# Altium PCB main - Copy.PcbDoc (part 8 of 14)
Units mil, origin at the board's own origin, x right, y up, seen from the top; angles counter-clockwise.
Board outline 8394.55 x 5164.44 mil, 7 copper layers (Top Layer 1, Layer 2, Layer 3, Unused, Layer 4_pow, Layer 5_gnd, Bottom 6+gnd), stack 46.112 mil thick; 406 components, 463 nets, 1919 pads, 903 vias.
Unrouted connection lines stored in the file: 147.
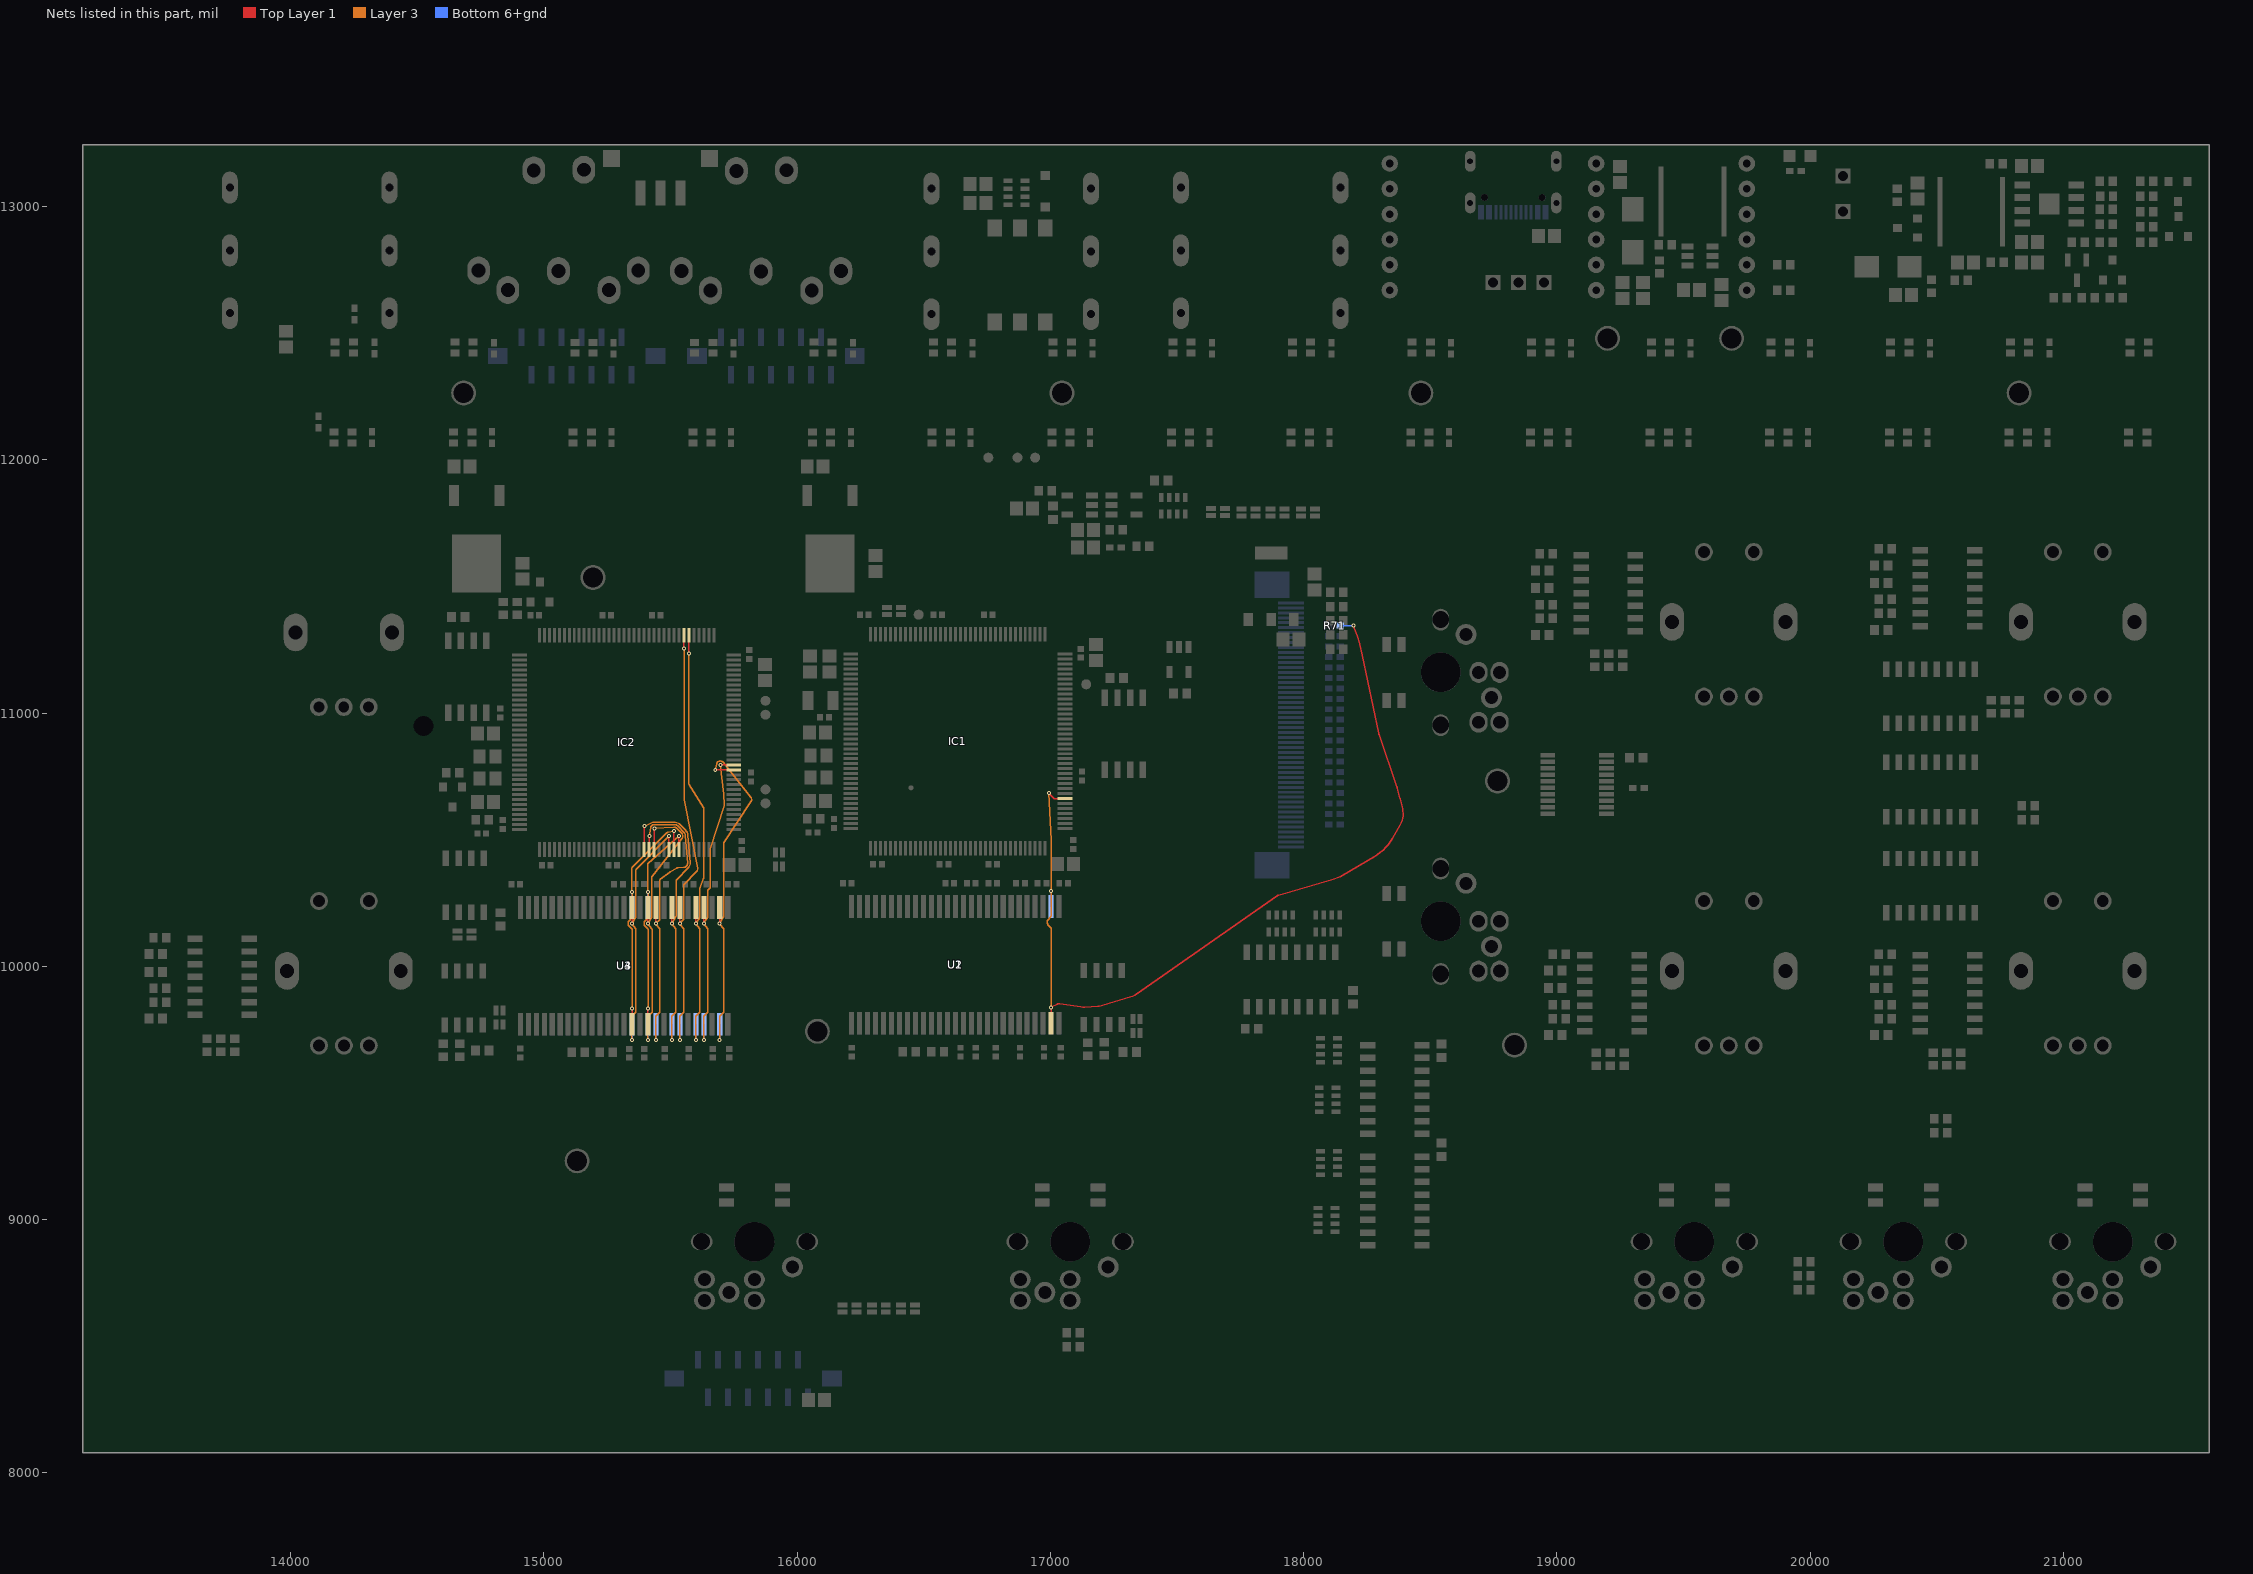
[diagram p12: the nets of this part, all layers, seen from the top]

## Via types
v1: diameter 15.75, hole 7.87, Top Layer 1 to Bottom 6+gnd, tented both sides, 830 vias
v2: diameter 27.56, hole 11.81, Top Layer 1 to Bottom 6+gnd, 45 vias
v3: diameter 23.62/23.62/23.62/23.62/23.62/23.62/23.62 (per signal layer), hole 12, Top Layer 1 to Bottom 6+gnd, tented top, 12 vias
v4: diameter 15.75, hole 7.87, Top Layer 1 to Bottom 6+gnd, 10 vias
v5: diameter 23.62/23.62/23.62/23.62/23.62/23.62/23.62 (per signal layer), hole 12, Top Layer 1 to Bottom 6+gnd, tented bottom, 6 vias

## Nets (pads, with @x,y where several pads share a name; then routed paths per layer and width w, separated by ;. In a path a pad name is that pad's centre, name@x,y a point inside that pad or via, vN(x,y) a via of type N, cw(c..) or ccw(c..) an arc to the next point about the centre after c; other vN are vias at no path point) (continued)
D15: IC1.79 R71.2 U1.53 U2.53 | length 3643.4
  Top Layer 1 w5: v1(16993.84,10685.43) 16993.84,10684.05 17015.29,10662.59 17057.61,10662.59 IC1.79@17057.76,10662.44 ; U1.53@17002.95,9775.59 17003.2,9818.09 v1(17003.2,9837.68) 17004.66,9839.14 cw(c17008.2,9835.6) 17005.89,9840.04 17027.58,9851.31 cw(c17034.69,9837.68) 17037.1,9852.86 17118.98,9840.29 ccw(c17131.96,9924.67) 17136.25,9839.4 17186.4,9841.94 ccw(c17182.09,9927.2) 17207.33,9845.65 17317.85,9879.94 ccw(c17294.88,9953.96) 17339.19,9890.37 17895.58,10278.46 cw(c17906.89,10262.58) 17901.47,10281.31 18110.45,10341.77 ccw(c18056.25,10529.09) 18154.39,10360.59 18278.89,10433.24 ccw(c18180.42,10601.98) 18349.85,10504.7 18381.41,10559.67 ccw(c18307.4,10602.23) 18390.39,10622.26 18380.66,10662.58 ccw(c18297.66,10642.59) 18380.29,10664.05 18370.07,10703.31 ccw(c18287.45,10681.8) 18368.22,10709.46 18297.96,10914.62 cw(c18338.58,10928.53) 18296.59,10919.6 18231.02,11228.06 ccw(c18196.42,11220.71) 18230.91,11228.57 18221.16,11271.35 ccw(c18196.42,11265.71) 18220.73,11272.96 18211.15,11305.1 ccw(c18196.42,11300.71) 18210.87,11305.96 v1(18196.42,11345.71)
  Layer 3 w5: v1(16993.84,10685.43) 17002.7,10499.02 ; v1(17003.2,9837.68) 17003.2,10149.87 ; 17001.74,10153.31 cw(c16998.2,10149.78) 17003.2,10149.87 ; 17001.74,10153.31 cw(c16998.2,10149.78) 17003.2,10149.87 ; 17001.74,10153.31 cw(c16998.2,10149.78) 17003.2,10149.87 ; 17001.74,10153.31 cw(c16998.2,10149.78) 17003.2,10149.87 ; 17001.74,10153.31 cw(c16998.2,10149.78) 17003.2,10149.87 ; 17001.74,10153.31 cw(c16998.2,10149.78) 17003.2,10149.87 ; 17001.74,10153.31 cw(c16998.2,10149.78) 17003.2,10149.87 ; 17001.74,10153.31 cw(c16998.2,10149.78) 17003.2,10149.87 ; 17001.74,10153.31 cw(c16998.2,10149.78) 17003.2,10149.87 ; 17001.74,10153.31 cw(c16998.2,10149.78) 17003.2,10149.87 ; 17001.74,10153.31 cw(c16998.2,10149.78) 17003.2,10149.87 ; 17001.74,10153.31 cw(c16998.2,10149.78) 17003.2,10149.87 ; 17001.74,10153.31 cw(c16998.2,10149.78) 17003.2,10149.87 ; 17001.74,10153.31 cw(c16998.2,10149.78) 17003.2,10149.87 ; 17001.74,10153.31 cw(c16998.2,10149.78) 17003.2,10149.87 ; 17001.74,10153.31 cw(c16998.2,10149.78) 17003.2,10149.87 ; 17001.74,10153.31 16991.81,10163.28 cw(c17002.71,10174.13) 16991.19,10184.31 17001.94,10196.48 ; 17001.94,10196.48 ccw(c16998.2,10199.79) 17003.2,10199.7 ; 17001.94,10196.48 ccw(c16998.2,10199.79) 17003.2,10199.7 ; 17001.94,10196.48 ccw(c16998.2,10199.79) 17003.2,10199.7 ; 17001.94,10196.48 ccw(c16998.2,10199.79) 17003.2,10199.7 ; 17001.94,10196.48 ccw(c16998.2,10199.79) 17003.2,10199.7 ; 17001.94,10196.48 ccw(c16998.2,10199.79) 17003.2,10199.7 ; 17001.94,10196.48 ccw(c16998.2,10199.79) 17003.2,10199.7 ; 17001.94,10196.48 ccw(c16998.2,10199.79) 17003.2,10199.7 ; 17001.94,10196.48 ccw(c16998.2,10199.79) 17003.2,10199.7 ; 17001.94,10196.48 ccw(c16998.2,10199.79) 17003.2,10199.7 ; 17001.94,10196.48 ccw(c16998.2,10199.79) 17003.2,10199.7 ; 17001.94,10196.48 ccw(c16998.2,10199.79) 17003.2,10199.7 ; 17001.94,10196.48 ccw(c16998.2,10199.79) 17003.2,10199.7 ; 17001.94,10196.48 ccw(c16998.2,10199.79) 17003.2,10199.7 ; 17001.94,10196.48 ccw(c16998.2,10199.79) 17003.2,10199.7 ; 17001.94,10196.48 ccw(c16998.2,10199.79) 17003.2,10199.7 ; 17002.71,10498.88 ccw(c16997.71,10498.79) 17002.7,10499.02 ; 17002.71,10498.88 ccw(c16997.71,10498.79) 17002.7,10499.02 ; 17002.71,10498.88 ccw(c16997.71,10498.79) 17002.7,10499.02 ; 17002.71,10498.88 ccw(c16997.71,10498.79) 17002.7,10499.02 ; 17002.71,10498.88 ccw(c16997.71,10498.79) 17002.7,10499.02 ; 17002.71,10498.88 v1(17002.71,10298.31) 17003.2,10297.82 17003.2,10199.7
  Bottom 6+gnd w5: U2.53@17002.95,10236.22 v1@17002.95,10298.06 ; R71.2@18145.11,11345.71 v1(18196.42,11345.71)
DD0: IC2.85 U3.2 U4.2 | length 1485.8
  Top Layer 1 w5: v1@15676.86,10776.36 IC2.85@15749.52,10776.36 ; v1@15694.65,10170.19 U3.2@15694.65,10232.03
  Layer 3 w5: v1(15676.78,10776.28) 15681.76,10798.95 cw(c15696.78,10795.65) 15708.87,10805.15 15817.03,10667.36 cw(c15804.94,10657.87) 15817.74,10649.35 15710.64,10488.43 ccw(c15714.8,10485.66) 15709.8,10485.66 15709.8,10196.31 ; v1(15694.41,9709.31) 15694.41,9803 15710.53,9819.12 15710.53,10145.78 ; 15709.8,10196.27 cw(c15704.8,10196.36) 15708.98,10193.61 15695.23,10172.69 ccw(c15699.41,10169.94) 15694.41,10170 v1(15694.41,10169.94) ccw(c15699.41,10169.94) 15695.46,10166.87 15709.48,10148.8 ; 15709.48,10148.8 cw(c15705.53,10145.74) 15710.53,10145.83 ; 15709.48,10148.8 cw(c15705.53,10145.74) 15710.53,10145.83 ; 15709.48,10148.8 cw(c15705.53,10145.74) 15710.53,10145.83 ; 15709.48,10148.8 cw(c15705.53,10145.74) 15710.53,10145.83 ; 15709.48,10148.8 cw(c15705.53,10145.74) 15710.53,10145.83 ; 15709.48,10148.8 cw(c15705.53,10145.74) 15710.53,10145.83 ; 15709.48,10148.8 cw(c15705.53,10145.74) 15710.53,10145.83 ; 15709.48,10148.8 cw(c15705.53,10145.74) 15710.53,10145.83 ; 15709.48,10148.8 cw(c15705.53,10145.74) 15710.53,10145.83 ; 15709.48,10148.8 cw(c15705.53,10145.74) 15710.53,10145.83 ; 15709.48,10148.8 cw(c15705.53,10145.74) 15710.53,10145.83 ; 15709.48,10148.8 cw(c15705.53,10145.74) 15710.53,10145.83 ; 15709.48,10148.8 cw(c15705.53,10145.74) 15710.53,10145.83 ; 15709.48,10148.8 cw(c15705.53,10145.74) 15710.53,10145.83 ; 15709.48,10148.8 cw(c15705.53,10145.74) 15710.53,10145.83 ; 15709.48,10148.8 cw(c15705.53,10145.74) 15710.53,10145.83
  Bottom 6+gnd w5: v1@15694.65,9709.56 U4.2@15694.65,9771.4
DD1: IC2.86 U3.4 U4.4 | length 1485.1
  Top Layer 1 w5: v1@15631.66,10170.19 U3.4@15631.66,10232.03 ; v1@15697.01,10795.89 IC2.86@15749.3,10795.89
  Layer 3 w5: v1(15631.42,9709.31) 15631.42,9803 15647.54,9819.12 15647.54,10145.78 ; v1(15631.42,10169.94) ccw(c15636.42,10169.94) 15632.47,10166.88 15646.49,10148.8 ; v1@15632.26,10172.73 ccw(c15636.42,10169.94) v1(15631.42,10169.94) ; 15647.54,10197.05 15647.54,10300.48 15655.24,10308.18 ; v1(15696.78,10795.65) 15710.27,10680.61 cw(c15695,10678.82) 15710.36,10679.49 15712.14,10638.84 cw(c15696.78,10638.17) 15711.42,10633.47 15656.96,10463.98 ccw(c15661.73,10462.47) 15656.73,10462.5 15656.67,10311.69 ; v1(15631.42,10169.94) cw(c15636.42,10169.94) v1@15632.26,10172.72 ; v1(15631.42,10169.94) cw(c15636.42,10169.94) v1@15632.26,10172.72 ; v1(15631.42,10169.94) cw(c15636.42,10169.94) v1@15632.26,10172.72 ; v1(15631.42,10169.94) cw(c15636.42,10169.94) v1@15632.26,10172.72 ; v1(15631.42,10169.94) cw(c15636.42,10169.94) v1@15632.26,10172.72 ; v1(15631.42,10169.94) cw(c15636.42,10169.94) v1@15632.26,10172.72 ; v1(15631.42,10169.94) cw(c15636.42,10169.94) v1@15632.26,10172.72 ; v1(15631.42,10169.94) cw(c15636.42,10169.94) v1@15632.26,10172.72 ; v1(15631.42,10169.94) cw(c15636.42,10169.94) v1@15632.26,10172.72 ; v1(15631.42,10169.94) cw(c15636.42,10169.94) v1@15632.26,10172.72 ; v1(15631.42,10169.94) cw(c15636.42,10169.94) v1@15632.26,10172.72 ; v1(15631.42,10169.94) cw(c15636.42,10169.94) v1@15632.26,10172.72 ; v1(15631.42,10169.94) cw(c15636.42,10169.94) v1@15632.26,10172.72 ; v1(15631.42,10169.94) cw(c15636.42,10169.94) v1@15632.26,10172.72 ; v1(15631.42,10169.94) cw(c15636.42,10169.94) v1@15632.26,10172.72 ; v1@15632.26,10172.72 15646.7,10194.31 ; 15646.49,10148.8 cw(c15642.54,10145.74) 15647.54,10145.83 ; 15646.49,10148.8 cw(c15642.54,10145.74) 15647.54,10145.83 ; 15646.49,10148.8 cw(c15642.54,10145.74) 15647.54,10145.83 ; 15646.49,10148.8 cw(c15642.54,10145.74) 15647.54,10145.83 ; 15646.49,10148.8 cw(c15642.54,10145.74) 15647.54,10145.83 ; 15646.49,10148.8 cw(c15642.54,10145.74) 15647.54,10145.83 ; 15646.49,10148.8 cw(c15642.54,10145.74) 15647.54,10145.83 ; 15646.49,10148.8 cw(c15642.54,10145.74) 15647.54,10145.83 ; 15646.49,10148.8 cw(c15642.54,10145.74) 15647.54,10145.83 ; 15646.49,10148.8 cw(c15642.54,10145.74) 15647.54,10145.83 ; 15646.49,10148.8 cw(c15642.54,10145.74) 15647.54,10145.83 ; 15646.49,10148.8 cw(c15642.54,10145.74) 15647.54,10145.83 ; 15646.49,10148.8 cw(c15642.54,10145.74) 15647.54,10145.83 ; 15646.49,10148.8 cw(c15642.54,10145.74) 15647.54,10145.83 ; 15646.49,10148.8 cw(c15642.54,10145.74) 15647.54,10145.83 ; 15646.49,10148.8 cw(c15642.54,10145.74) 15647.54,10145.83 ; 15646.7,10194.32 ccw(c15642.54,10197.09) 15647.54,10197 ; 15646.7,10194.32 ccw(c15642.54,10197.09) 15647.54,10197 ; 15646.7,10194.32 ccw(c15642.54,10197.09) 15647.54,10197 ; 15646.7,10194.32 ccw(c15642.54,10197.09) 15647.54,10197 ; 15646.7,10194.32 ccw(c15642.54,10197.09) 15647.54,10197 ; 15646.7,10194.31 ccw(c15642.54,10197.09) 15647.54,10197 ; 15646.7,10194.32 ccw(c15642.54,10197.09) 15647.54,10197 ; 15646.7,10194.32 ccw(c15642.54,10197.09) 15647.54,10197 ; 15646.7,10194.32 ccw(c15642.54,10197.09) 15647.54,10197 ; 15646.7,10194.32 ccw(c15642.54,10197.09) 15647.54,10197 ; 15646.7,10194.32 ccw(c15642.54,10197.09) 15647.54,10197 ; 15646.7,10194.32 ccw(c15642.54,10197.09) 15647.54,10197 ; 15646.7,10194.32 ccw(c15642.54,10197.09) 15647.54,10197 ; 15646.7,10194.32 ccw(c15642.54,10197.09) 15647.54,10197 ; 15646.7,10194.32 ccw(c15642.54,10197.09) 15647.54,10197 ; 15646.7,10194.32 ccw(c15642.54,10197.09) 15647.54,10197 ; 15655.26,10308.2 ccw(c15651.67,10311.69) 15656.67,10311.69 ; 15655.26,10308.2 ccw(c15651.67,10311.69) 15656.67,10311.69 ; 15655.26,10308.2 ccw(c15651.67,10311.69) 15656.67,10311.69 ; 15655.26,10308.2 ccw(c15651.67,10311.69) 15656.67,10311.69 ; 15655.26,10308.2 ccw(c15651.67,10311.69) 15656.67,10311.69 ; 15655.26,10308.2 ccw(c15651.67,10311.69) 15656.67,10311.69 ; 15655.26,10308.2 ccw(c15651.67,10311.69) 15656.67,10311.69 ; 15655.26,10308.2 ccw(c15651.67,10311.69) 15656.67,10311.69 ; 15655.26,10308.2 ccw(c15651.67,10311.69) 15656.67,10311.69 ; 15655.26,10308.2 ccw(c15651.67,10311.69) 15656.67,10311.69 ; 15655.26,10308.2 ccw(c15651.67,10311.69) 15656.67,10311.69 ; 15655.26,10308.2 ccw(c15651.67,10311.69) 15656.67,10311.69 ; 15655.26,10308.2 ccw(c15651.67,10311.69) 15656.67,10311.69 ; 15655.26,10308.2 ccw(c15651.67,10311.69) 15656.67,10311.69 ; 15655.26,10308.2 ccw(c15651.67,10311.69) 15656.67,10311.69 ; 15655.26,10308.2 ccw(c15651.67,10311.69) 15656.67,10311.69
  Bottom 6+gnd w5: v1@15631.66,9709.56 U4.4@15631.66,9771.4
DD2: IC2.114 U3.5 U4.5 | length 2000.5
  Top Layer 1 w5: v1@15572.76,11234.79 IC2.114@15572.82,11307.38 ; v1@15600.16,10170.19 U3.5@15600.16,10232.03
  Layer 3 w5: v1(15572.84,11234.71) 15572.84,10720.56 ccw(c15577.84,10720.56) 15573.6,10717.91 15629.72,10627.81 15629.76,10627.75 cw(c15616.7,10619.63) 15632.07,10619.63 15632.07,10354.63 ; v1(15599.92,9709.31) 15599.92,9803 15616.04,9819.12 15616.04,10145.78 ; v1(15599.92,10169.94) ccw(c15604.92,10169.94) 15600.97,10166.88 15614.99,10148.8 ; v1(15599.92,10169.94) cw(c15604.92,10169.94) 15601.01,10173.06 15615.45,10191.26 ; 15614.99,10148.8 cw(c15611.04,10145.74) 15616.04,10145.83 ; 15614.99,10148.8 cw(c15611.04,10145.74) 15616.04,10145.83 ; 15614.99,10148.8 cw(c15611.04,10145.74) 15616.04,10145.83 ; 15614.99,10148.8 cw(c15611.04,10145.74) 15616.04,10145.83 ; 15614.99,10148.8 cw(c15611.04,10145.74) 15616.04,10145.83 ; 15614.99,10148.8 cw(c15611.04,10145.74) 15616.04,10145.83 ; 15614.99,10148.8 cw(c15611.04,10145.74) 15616.04,10145.83 ; 15614.99,10148.8 cw(c15611.04,10145.74) 15616.04,10145.83 ; 15614.99,10148.8 cw(c15611.04,10145.74) 15616.04,10145.83 ; 15614.99,10148.8 cw(c15611.04,10145.74) 15616.04,10145.83 ; 15614.99,10148.8 cw(c15611.04,10145.74) 15616.04,10145.83 ; 15614.99,10148.8 cw(c15611.04,10145.74) 15616.04,10145.83 ; 15614.99,10148.8 cw(c15611.04,10145.74) 15616.04,10145.83 ; 15614.99,10148.8 cw(c15611.04,10145.74) 15616.04,10145.83 ; 15614.99,10148.8 cw(c15611.04,10145.74) 15616.04,10145.83 ; 15614.99,10148.8 cw(c15611.04,10145.74) 15616.04,10145.83 ; 15615.45,10191.26 ccw(c15611.53,10194.37) 15616.53,10194.28 ; 15615.45,10191.26 ccw(c15611.53,10194.37) 15616.53,10194.28 ; 15615.45,10191.26 ccw(c15611.53,10194.37) 15616.53,10194.28 ; 15615.45,10191.26 ccw(c15611.53,10194.37) 15616.53,10194.28 ; 15615.45,10191.26 ccw(c15611.53,10194.37) 15616.53,10194.28 ; 15615.45,10191.26 ccw(c15611.53,10194.37) 15616.53,10194.28 ; 15615.45,10191.26 ccw(c15611.53,10194.37) 15616.53,10194.28 ; 15615.45,10191.26 ccw(c15611.53,10194.37) 15616.53,10194.28 ; 15615.45,10191.26 ccw(c15611.53,10194.37) 15616.53,10194.28 ; 15615.45,10191.26 ccw(c15611.53,10194.37) 15616.53,10194.28 ; 15615.45,10191.26 ccw(c15611.53,10194.37) 15616.53,10194.28 ; 15615.45,10191.26 ccw(c15611.53,10194.37) 15616.53,10194.28 ; 15615.45,10191.26 ccw(c15611.53,10194.37) 15616.53,10194.28 ; 15615.45,10191.26 ccw(c15611.53,10194.37) 15616.53,10194.28 ; 15615.45,10191.26 ccw(c15611.53,10194.37) 15616.53,10194.28 ; 15615.45,10191.26 ccw(c15611.53,10194.37) 15616.53,10194.28 ; 15616.53,10194.32 15616.53,10309.9 cw(c15621.53,10309.91) 15616.89,10311.76 15630.26,10345.21 ; 15630.26,10345.21 ccw(c15606.7,10354.63) 15632.07,10354.63 ; 15630.26,10345.21 ccw(c15606.7,10354.63) 15632.07,10354.63 ; 15630.26,10345.21 ccw(c15606.7,10354.63) 15632.07,10354.63 ; 15630.26,10345.21 ccw(c15606.7,10354.63) 15632.07,10354.63 ; 15630.26,10345.21 ccw(c15606.7,10354.63) 15632.07,10354.63 ; 15630.26,10345.21 ccw(c15606.7,10354.63) 15632.07,10354.63 ; 15630.26,10345.21 ccw(c15606.7,10354.63) 15632.07,10354.63 ; 15630.26,10345.21 ccw(c15606.7,10354.63) 15632.07,10354.63 ; 15630.26,10345.21 ccw(c15606.7,10354.63) 15632.07,10354.63 ; 15630.26,10345.21 ccw(c15606.7,10354.63) 15632.07,10354.63 ; 15630.26,10345.21 ccw(c15606.7,10354.63) 15632.07,10354.63 ; 15630.26,10345.21 ccw(c15606.7,10354.63) 15632.07,10354.63 ; 15630.26,10345.21 ccw(c15606.7,10354.63) 15632.07,10354.63 ; 15630.26,10345.21 ccw(c15606.7,10354.63) 15632.07,10354.63 ; 15630.26,10345.21 ccw(c15606.7,10354.63) 15632.07,10354.63 ; 15630.26,10345.21 ccw(c15606.7,10354.63) 15632.07,10354.63
  Bottom 6+gnd w5: v1@15600.16,9709.56 U4.5@15600.16,9771.4
DD3: IC2.115 U3.7 U4.7 | length 1873.2
  Top Layer 1 w5: v1@15537.17,10170.19 U3.7@15537.17,10232.03 ; v1@15553.24,11254.94 IC2.115@15553.24,11307.23
  Layer 3 w5: v1(15536.93,9709.31) 15536.93,9803 15553.05,9819.12 15553.05,10145.78 ; 15552.55,10187.59 cw(c15547.55,10187.68) 15551.09,10184.15 v1(15536.93,10169.94) v1@15536.93,10167.87 ; 15552.55,10187.64 15552.55,10320.48 cw(c15557.55,10320.49) 15553.97,10323.97 15602.7,10373.89 ccw(c15591.7,10384.63) 15606.78,10387.61 15553.57,10658.97 cw(c15558.47,10659.93) 15553.47,10659.93 v1(15553.47,11254.71) ; v1@15536.93,10167.87 ccw(c15541.93,10167.88) v1@15538.17,10164.58 ; v1@15536.93,10167.87 ccw(c15541.93,10167.88) v1@15538.17,10164.58 ; v1@15536.93,10167.87 ccw(c15541.93,10167.88) v1@15538.17,10164.58 ; v1@15536.93,10167.87 ccw(c15541.93,10167.88) v1@15538.17,10164.58 ; v1@15536.93,10167.87 ccw(c15541.93,10167.88) v1@15538.17,10164.58 ; v1@15536.93,10167.87 ccw(c15541.93,10167.88) v1@15538.17,10164.58 ; v1@15536.93,10167.87 ccw(c15541.93,10167.88) v1@15538.17,10164.58 ; v1@15536.93,10167.87 ccw(c15541.93,10167.88) v1@15538.17,10164.58 ; v1@15536.93,10167.87 ccw(c15541.93,10167.88) v1@15538.17,10164.58 ; v1@15536.93,10167.87 ccw(c15541.93,10167.88) v1@15538.17,10164.58 ; v1@15536.93,10167.87 ccw(c15541.93,10167.88) v1@15538.17,10164.58 ; v1@15536.93,10167.87 ccw(c15541.93,10167.88) v1@15538.17,10164.58 ; v1@15536.93,10167.87 ccw(c15541.93,10167.88) v1@15538.17,10164.58 ; v1@15536.93,10167.87 ccw(c15541.93,10167.88) v1@15538.17,10164.58 ; v1@15536.93,10167.87 ccw(c15541.93,10167.88) v1@15538.17,10164.58 ; v1@15536.93,10167.87 ccw(c15541.93,10167.88) v1@15538.17,10164.58 ; v1@15538.17,10164.58 15551.81,10149.04 ; 15551.81,10149.04 cw(c15548.05,10145.74) 15553.05,10145.83 ; 15551.81,10149.04 cw(c15548.05,10145.74) 15553.05,10145.83 ; 15551.81,10149.04 cw(c15548.05,10145.74) 15553.05,10145.83 ; 15551.81,10149.04 cw(c15548.05,10145.74) 15553.05,10145.83 ; 15551.81,10149.04 cw(c15548.05,10145.74) 15553.05,10145.83 ; 15551.81,10149.04 cw(c15548.05,10145.74) 15553.05,10145.83 ; 15551.81,10149.04 cw(c15548.05,10145.74) 15553.05,10145.83 ; 15551.81,10149.04 cw(c15548.05,10145.74) 15553.05,10145.83 ; 15551.81,10149.04 cw(c15548.05,10145.74) 15553.05,10145.83 ; 15551.81,10149.04 cw(c15548.05,10145.74) 15553.05,10145.83 ; 15551.81,10149.04 cw(c15548.05,10145.74) 15553.05,10145.83 ; 15551.81,10149.04 cw(c15548.05,10145.74) 15553.05,10145.83 ; 15551.81,10149.04 cw(c15548.05,10145.74) 15553.05,10145.83 ; 15551.81,10149.04 cw(c15548.05,10145.74) 15553.05,10145.83 ; 15551.81,10149.04 cw(c15548.05,10145.74) 15553.05,10145.83 ; 15551.81,10149.04 cw(c15548.05,10145.74) 15553.05,10145.83
  Bottom 6+gnd w5: v1@15537.17,9709.56 U4.7@15537.17,9771.4
DD4: IC2.58 U3.8 U4.8 | length 2377.5
  Top Layer 1 w5: IC2.58@15395.76,10461.71 15396.15,10462.11 15396.15,10552.4 v1(15397.57,10553.82) ; v1@15505.68,10170.19 U3.8@15505.68,10232.03
  Layer 3 w5: v1(15397.57,10553.82) 15425.61,10567.45 ; v1(15505.43,9709.31) 15505.43,9803 15521.55,9819.12 15521.55,10145.78 ; 15521.8,10198.16 15521.8,10337.31 ; 15425.61,10567.45 cw(c15436.7,10544.63) 15436.78,10570 ; 15425.61,10567.45 cw(c15436.7,10544.63) 15436.78,10570 ; 15425.61,10567.45 cw(c15436.7,10544.63) 15436.78,10570 ; 15425.61,10567.45 cw(c15436.7,10544.63) 15436.78,10570 ; 15425.61,10567.45 cw(c15436.7,10544.63) 15436.78,10570 ; 15425.61,10567.45 cw(c15436.7,10544.63) 15436.78,10570 ; 15425.61,10567.45 cw(c15436.7,10544.63) 15436.78,10570 ; 15425.61,10567.45 cw(c15436.7,10544.63) 15436.78,10570 ; 15425.61,10567.45 cw(c15436.7,10544.63) 15436.78,10570 ; 15425.61,10567.45 cw(c15436.7,10544.63) 15436.78,10570 ; 15425.61,10567.45 cw(c15436.7,10544.63) 15436.78,10570 ; 15425.61,10567.45 cw(c15436.7,10544.63) 15436.78,10570 ; 15425.61,10567.45 cw(c15436.7,10544.63) 15436.78,10570 ; 15425.61,10567.45 cw(c15436.7,10544.63) 15436.78,10570 ; 15425.61,10567.45 cw(c15436.7,10544.63) 15436.78,10570 ; 15425.61,10567.45 cw(c15436.7,10544.63) 15436.78,10570 ; 15436.78,10570 15513.87,10569.77 ; 15513.87,10569.77 cw(c15513.79,10534.39) 15539.21,10558.99 ; 15513.87,10569.77 cw(c15513.79,10534.39) 15539.21,10558.99 ; 15513.87,10569.77 cw(c15513.79,10534.39) 15539.21,10558.99 ; 15513.87,10569.77 cw(c15513.79,10534.39) 15539.21,10558.99 ; 15513.87,10569.77 cw(c15513.79,10534.39) 15539.21,10558.99 ; 15513.87,10569.77 cw(c15513.79,10534.39) 15539.21,10558.99 ; 15513.87,10569.77 cw(c15513.79,10534.39) 15539.21,10558.99 ; 15513.87,10569.77 cw(c15513.79,10534.39) 15539.21,10558.99 ; 15513.87,10569.77 cw(c15513.79,10534.39) 15539.21,10558.99 ; 15513.87,10569.77 cw(c15513.79,10534.39) 15539.21,10558.99 ; 15513.87,10569.77 cw(c15513.79,10534.39) 15539.21,10558.99 ; 15513.87,10569.77 cw(c15513.79,10534.39) 15539.21,10558.99 ; 15513.87,10569.77 cw(c15513.79,10534.39) 15539.21,10558.99 ; 15513.87,10569.77 cw(c15513.79,10534.39) 15539.21,10558.99 ; 15513.87,10569.77 cw(c15513.79,10534.39) 15539.21,10558.99 ; 15513.87,10569.77 cw(c15513.79,10534.39) 15539.21,10558.99 ; 15520.5,10148.8 cw(c15516.55,10145.74) 15521.55,10145.83 ; 15520.5,10148.8 cw(c15516.55,10145.74) 15521.55,10145.83 ; 15520.5,10148.8 cw(c15516.55,10145.74) 15521.55,10145.83 ; 15520.5,10148.8 cw(c15516.55,10145.74) 15521.55,10145.83 ; 15520.5,10148.8 cw(c15516.55,10145.74) 15521.55,10145.83 ; 15520.5,10148.8 cw(c15516.55,10145.74) 15521.55,10145.83 ; 15520.5,10148.8 cw(c15516.55,10145.74) 15521.55,10145.83 ; 15520.5,10148.8 cw(c15516.55,10145.74) 15521.55,10145.83 ; 15520.5,10148.8 cw(c15516.55,10145.74) 15521.55,10145.83 ; 15520.5,10148.8 cw(c15516.55,10145.74) 15521.55,10145.83 ; 15520.5,10148.8 cw(c15516.55,10145.74) 15521.55,10145.83 ; 15520.5,10148.8 cw(c15516.55,10145.74) 15521.55,10145.83 ; 15520.5,10148.8 cw(c15516.55,10145.74) 15521.55,10145.83 ; 15520.5,10148.8 cw(c15516.55,10145.74) 15521.55,10145.83 ; 15520.5,10148.8 cw(c15516.55,10145.74) 15521.55,10145.83 ; 15520.5,10148.8 cw(c15516.55,10145.74) 15521.55,10145.83 ; 15520.5,10148.8 15506.49,10166.87 cw(c15510.43,10169.94) v1(15505.43,10169.94) 15505.43,10170 cw(c15510.43,10169.94) 15506.23,10172.66 15521,10195.49 ; 15521,10195.49 ccw(c15516.8,10198.21) 15521.8,10198.12 ; 15521,10195.49 ccw(c15516.8,10198.21) 15521.8,10198.12 ; 15521,10195.49 ccw(c15516.8,10198.21) 15521.8,10198.12 ; 15521,10195.49 ccw(c15516.8,10198.21) 15521.8,10198.12 ; 15521,10195.49 ccw(c15516.8,10198.21) 15521.8,10198.12 ; 15521,10195.49 ccw(c15516.8,10198.21) 15521.8,10198.12 ; 15521,10195.49 ccw(c15516.8,10198.21) 15521.8,10198.12 ; 15521,10195.49 ccw(c15516.8,10198.21) 15521.8,10198.12 ; 15521,10195.49 ccw(c15516.8,10198.21) 15521.8,10198.12 ; 15521,10195.49 ccw(c15516.8,10198.21) 15521.8,10198.12 ; 15521,10195.49 ccw(c15516.8,10198.21) 15521.8,10198.12 ; 15521,10195.49 ccw(c15516.8,10198.21) 15521.8,10198.12 ; 15521,10195.49 ccw(c15516.8,10198.21) 15521.8,10198.12 ; 15521,10195.49 ccw(c15516.8,10198.21) 15521.8,10198.12 ; 15521,10195.49 ccw(c15516.8,10198.21) 15521.8,10198.12 ; 15521,10195.49 ccw(c15516.8,10198.21) 15521.8,10198.12 ; 15521.8,10337.31 cw(c15526.8,10337.31) 15523.25,10340.82 ; 15521.8,10337.31 cw(c15526.8,10337.31) 15523.25,10340.82 ; 15521.8,10337.31 cw(c15526.8,10337.31) 15523.25,10340.82 ; 15521.8,10337.31 cw(c15526.8,10337.31) 15523.25,10340.82 ; 15521.8,10337.31 cw(c15526.8,10337.31) 15523.25,10340.82 ; 15521.8,10337.31 cw(c15526.8,10337.31) 15523.25,10340.82 ; 15521.8,10337.31 cw(c15526.8,10337.31) 15523.25,10340.82 ; 15521.8,10337.31 cw(c15526.8,10337.31) 15523.25,10340.82 ; 15521.8,10337.31 cw(c15526.8,10337.31) 15523.25,10340.82 ; 15521.8,10337.31 cw(c15526.8,10337.31) 15523.25,10340.82 ; 15521.8,10337.31 cw(c15526.8,10337.31) 15523.25,10340.82 ; 15521.8,10337.31 cw(c15526.8,10337.31) 15523.25,10340.82 ; 15521.8,10337.31 cw(c15526.8,10337.31) 15523.25,10340.82 ; 15521.8,10337.31 cw(c15526.8,10337.31) 15523.25,10340.82 ; 15521.8,10337.31 cw(c15526.8,10337.31) 15523.25,10340.82 ; 15521.8,10337.31 cw(c15526.8,10337.31) 15523.25,10340.82 ; 15523.25,10340.82 15524.83,10342.4 ; 15524.83,10342.4 ccw(c15506.85,10360.32) 15524.96,10342.53 ; 15524.83,10342.4 ccw(c15506.85,10360.32) 15524.96,10342.53 ; 15524.83,10342.4 ccw(c15506.85,10360.32) 15524.96,10342.53 ; 15524.83,10342.4 ccw(c15506.85,10360.32) 15524.96,10342.53 ; 15524.83,10342.4 ccw(c15506.85,10360.32) 15524.96,10342.53 ; 15524.83,10342.4 ccw(c15506.85,10360.32) 15524.96,10342.53 ; 15524.83,10342.4 ccw(c15506.85,10360.32) 15524.96,10342.53 ; 15524.83,10342.4 ccw(c15506.85,10360.32) 15524.96,10342.53 ; 15524.83,10342.4 ccw(c15506.85,10360.32) 15524.96,10342.53 ; 15524.83,10342.4 ccw(c15506.85,10360.32) 15524.96,10342.53 ; 15524.83,10342.4 ccw(c15506.85,10360.32) 15524.96,10342.53 ; 15524.83,10342.4 ccw(c15506.85,10360.32) 15524.96,10342.53 ; 15524.83,10342.4 ccw(c15506.85,10360.32) 15524.96,10342.53 ; 15524.83,10342.4 ccw(c15506.85,10360.32) 15524.96,10342.53 ; 15524.83,10342.4 ccw(c15506.85,10360.32) 15524.96,10342.53 ; 15524.83,10342.4 ccw(c15506.85,10360.32) 15524.96,10342.53 ; 15524.96,10342.53 15570.16,10388.55 ccw(c15552.06,10406.33) 15577.35,10408.4 15568.41,10517.28 ; 15539.21,10558.99 15558.53,10539.04 ; 15558.53,10539.04 cw(c15533.16,10514.39) 15568.41,10517.29 ; 15558.53,10539.04 cw(c15533.16,10514.39) 15568.41,10517.29 ; 15558.53,10539.04 cw(c15533.16,10514.39) 15568.41,10517.29 ; 15558.53,10539.04 cw(c15533.16,10514.39) 15568.41,10517.29 ; 15558.53,10539.04 cw(c15533.16,10514.39) 15568.41,10517.29 ; 15558.53,10539.04 cw(c15533.16,10514.39) 15568.41,10517.29 ; 15558.53,10539.04 cw(c15533.16,10514.39) 15568.41,10517.29 ; 15558.53,10539.04 cw(c15533.16,10514.39) 15568.41,10517.29 ; 15558.53,10539.04 cw(c15533.16,10514.39) 15568.41,10517.29 ; 15558.53,10539.04 cw(c15533.16,10514.39) 15568.41,10517.29 ; 15558.53,10539.04 cw(c15533.16,10514.39) 15568.41,10517.29 ; 15558.53,10539.04 cw(c15533.16,10514.39) 15568.41,10517.29 ; 15558.53,10539.04 cw(c15533.16,10514.39) 15568.41,10517.29 ; 15558.53,10539.04 cw(c15533.16,10514.39) 15568.41,10517.29 ; 15558.53,10539.04 cw(c15533.16,10514.39) 15568.41,10517.29 ; 15558.53,10539.04 cw(c15533.16,10514.39) 15568.41,10517.29